# Altium PCB Layout.PcbDoc (part 2 of 2)
Units mm, origin at the board's own origin, x right, y up, seen from the top; angles counter-clockwise.
Board outline 308.8 x 101.28 mm, 2 copper layers (Top Layer, Bottom Layer); 179 components, 115 nets, 662 pads, 125 vias.
Unrouted connection lines stored in the file: 1.
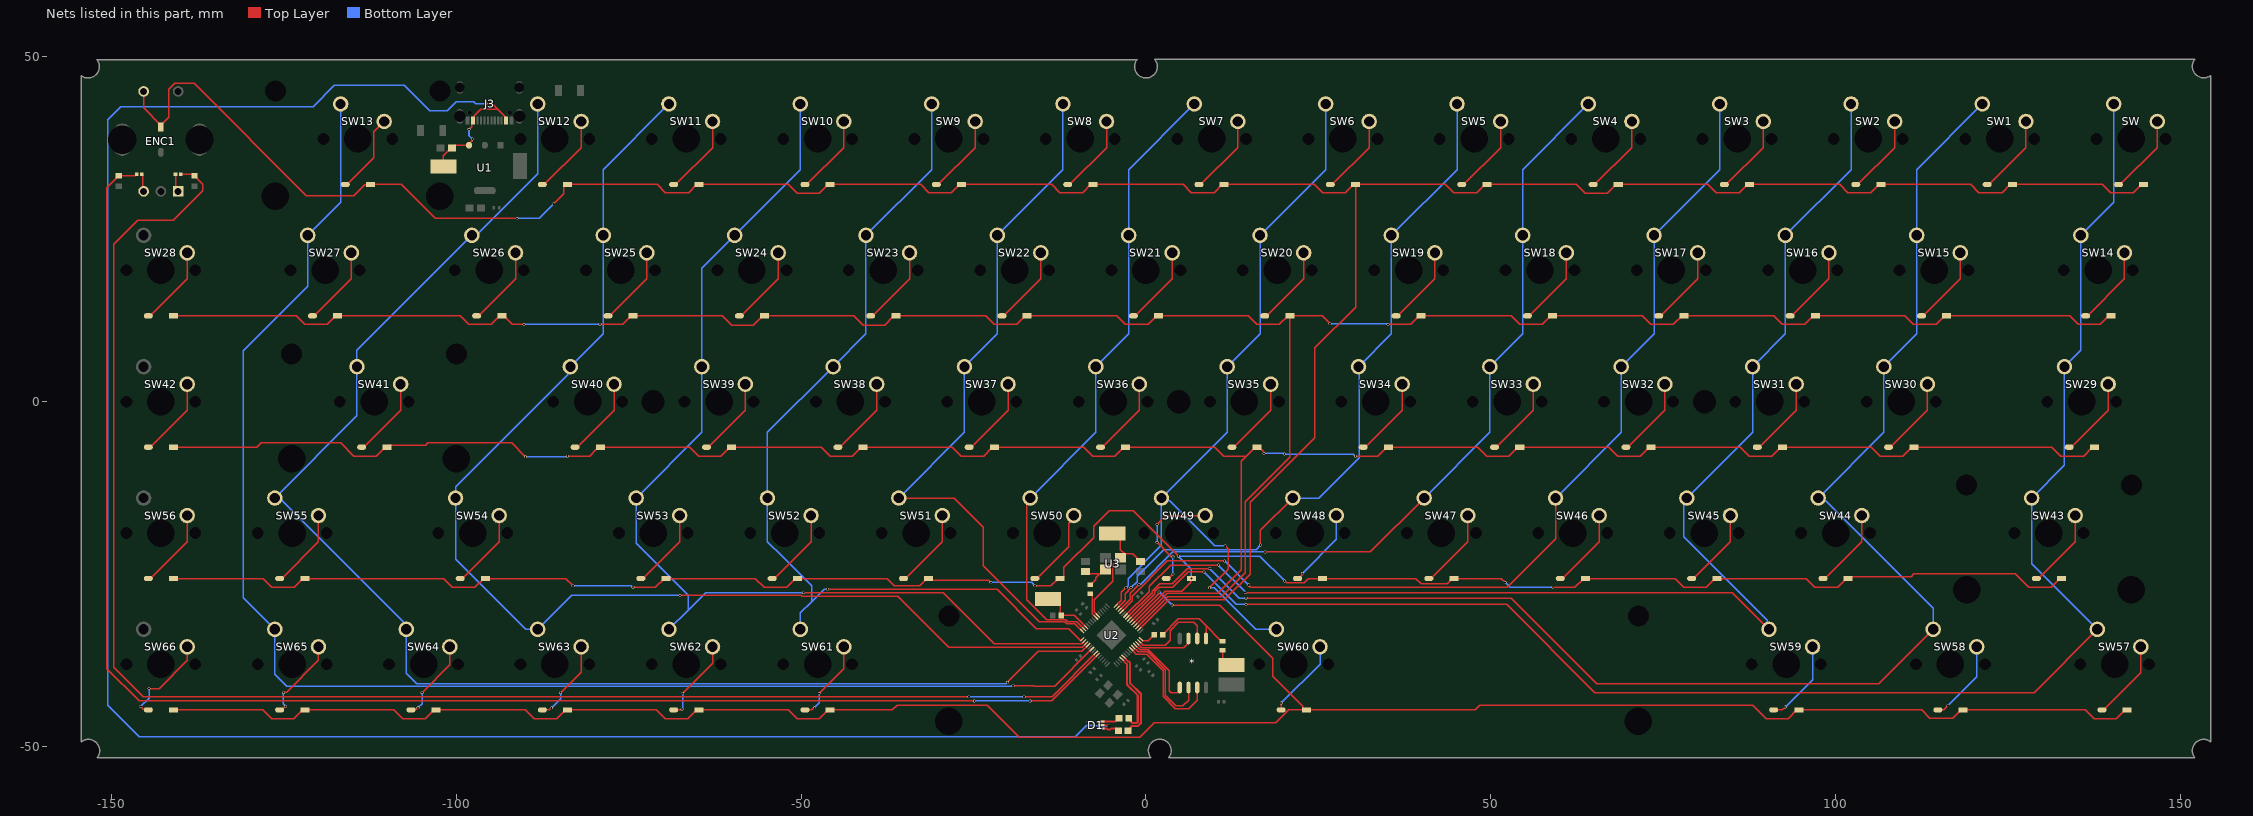
[diagram p2: the nets of this part, all layers, seen from the top]

## Via types
v1: diameter 0.4, hole 0.3, Top Layer to Bottom Layer, 120 vias
v2: diameter 1.27, hole 0.711, Top Layer to Bottom Layer, 5 vias

## Nets (pads, with @x,y where several pads share a name; then routed paths per layer and width w, separated by ;. In a path a pad name is that pad's centre, name@x,y a point inside that pad or via, vN(x,y) a via of type N, cw(c..) or ccw(c..) an arc to the next point about the centre after c; other vN are vias at no path point) (continued)
GPIO0: D2.1 D3.1 D4.1 D5.1 D6.1 D7.1 D8.1 D9.1 D10.1 D11.1 D12.1 D13.1 D14.1 D15.1 D16.1 ENC1.2 U2.2 | length 404.4
  Top Layer w0.2: ENC1.2@-145.38,45 -145.38,42.598 D2.1@-142.88,40.098 ; D2.1@-142.88,39.825 D2.1@-142.88,40.098 ; v1(-91.2,26.6) -103.1,26.6 -108,31.5 D16.1@-112.48,31.5 -112.497,31.483 -113.317,31.483 -114.9,29.9 -121.8,29.9 -138.055,46.155 -140.858,46.155 -141.728,45.284 -141.728,41.25 D2.1@-142.88,40.098 ; v1(-85.9,28.7) -84.459,30.141 -84.459,31.219 -84.178,31.5 D15.1@-83.905,31.5 -70.9,31.5 -69.7,30.3 -66.328,30.3 -65.128,31.5 D14.1@-64.855,31.5 -51.9,31.5 -50.6,30.2 -47.378,30.2 -46.078,31.5 D13.1@-45.805,31.5 -32.7,31.5 -31.5,30.3 -28.228,30.3 -27.028,31.5 D12.1@-26.755,31.5 -13.7,31.5 -12.5,30.3 -9.178,30.3 -7.978,31.5 D11.1@-7.705,31.5 5.4,31.5 6.6,30.3 9.872,30.3 11.072,31.5 D10.1@11.345,31.5 24.4,31.5 25.6,30.3 28.922,30.3 D9.1@29.841,31.219 ; U2.2@-0.994,-32.991 3.265,-28.732 11.368,-28.732 15.1,-25 15.1,-14.6 24.5,-5.2 24.5,7.8 30.395,13.695 D9.1@30.395,31.5 43.4,31.5 44.6,30.3 47.972,30.3 49.172,31.5 D8.1@49.445,31.5 62.4,31.5 63.7,30.2 66.922,30.2 68.222,31.5 D7.1@68.495,31.5 81.5,31.5 82.7,30.3 86.072,30.3 87.272,31.5 D6.1@87.545,31.5 100.6,31.5 101.8,30.3 105.122,30.3 106.322,31.5 D5.1@106.595,31.5 119.6,31.5 120.8,30.3 124.172,30.3 125.372,31.5 D4.1@125.645,31.5 138.7,31.5 139.9,30.3 143.222,30.3 144.422,31.5 D3.1@144.695,31.5
  Bottom Layer w0.2: v1(-91.2,26.6) -88,26.6 v1(-85.9,28.7)
GPIO1: D17.1 D18.1 D19.1 D20.1 D21.1 D22.1 D23.1 D24.1 D25.1 D26.1 D27.1 D28.1 D29.1 D30.1 D31.1 U2.3 | length 354.6
  Top Layer w0.2: D31.1@-141.055,12.45 -123.25,12.45 -122,11.2 -118.765,11.2 -117.515,12.45 D30.1@-117.242,12.45 -99.45,12.45 -98.2,11.2 -94.953,11.2 -93.703,12.45 D29.1@-93.43,12.45 -93.157,12.45 -91.907,11.2 v1(-90.2,11.2) ; v1(-79.19,11.242) -75.861,11.242 -74.653,12.45 D28.1@-74.38,12.45 -61.45,12.45 -60.1,11.1 -56.953,11.1 -55.603,12.45 D27.1@-55.33,12.45 -42.35,12.45 -41,11.1 -37.903,11.1 -36.553,12.45 D26.1@-36.28,12.45 -23.25,12.45 -22,11.2 -18.753,11.2 -17.503,12.45 D25.1@-17.23,12.45 -4.25,12.45 -3,11.2 0.297,11.2 1.547,12.45 D24.1@1.82,12.45 14.85,12.45 16.1,11.2 19.347,11.2 20.597,12.45 D23.1@20.87,12.45 ; U2.3@-1.276,-32.708 3.131,-28.3 10.932,-28.3 14.4,-24.832 14.4,-14.5 20.87,-8.03 D23.1@20.87,12.45 ; v1(26.7,11.3) 25.55,12.45 D23.1@20.87,12.45 ; v1(35.086,11.2) 38.397,11.2 39.647,12.45 D22.1@39.92,12.45 52.95,12.45 54.2,11.2 57.447,11.2 58.697,12.45 D21.1@58.97,12.45 71.95,12.45 73.2,11.2 76.497,11.2 77.747,12.45 D20.1@78.02,12.45 91.05,12.45 92.3,11.2 95.547,11.2 96.797,12.45 D19.1@97.07,12.45 110.05,12.45 111.3,11.2 114.597,11.2 115.847,12.45 D18.1@116.12,12.45 133.95,12.45 135.2,11.2 138.41,11.2 139.66,12.45 D17.1@139.933,12.45
  Bottom Layer w0.2: v1(-90.2,11.2) -90.179,11.221 -79.211,11.221 v1(-79.19,11.242) ; v1(26.7,11.3) 34.946,11.3 35.046,11.2 v1(35.086,11.2)
GPIO2: D32.1 D33.1 D34.1 D35.1 D36.1 D37.1 D38.1 D39.1 D40.1 D41.1 D42.1 D43.1 D44.1 D45.1 U2.4 | length 329.3
  Top Layer w0.2: D45.1@-141.055,-6.6 -128.969,-6.6 -128.35,-5.981 -116.819,-5.981 -114.9,-7.9 -111.672,-7.9 -110.372,-6.6 D44.1@-110.099,-6.6 -109.818,-6.319 -104.477,-6.319 -104.139,-5.981 -92.019,-5.981 v1(-90,-8) ; v1(-83.9,-7.9) -80.7,-7.9 -79.697,-6.897 -79.697,-6.881 -79.416,-6.6 D43.1@-79.143,-6.6 -66.2,-6.6 -64.9,-7.9 -61.666,-7.9 -60.366,-6.6 D42.1@-60.093,-6.6 -47.1,-6.6 -45.8,-7.9 -42.616,-7.9 -41.316,-6.6 D41.1@-41.043,-6.6 -28.1,-6.6 -26.8,-7.9 -23.566,-7.9 -22.266,-6.6 D40.1@-21.993,-6.6 -9,-6.6 -7.7,-7.9 -4.516,-7.9 -3.216,-6.6 D39.1@-2.943,-6.6 10,-6.6 11.3,-7.9 14.534,-7.9 ; U2.4@-1.559,-32.425 3.066,-27.8 10.4,-27.8 13.8,-24.4 13.8,-8.634 14.534,-7.9 ; v1(17.1,-7.5) 17.062,-7.462 17.062,-7.282 16.38,-6.6 D38.1@16.107,-6.6 15.834,-6.6 14.534,-7.9 ; v1(30.4,-7.9) 33.584,-7.9 34.884,-6.6 D37.1@35.157,-6.6 48.1,-6.6 49.4,-7.9 52.634,-7.9 53.934,-6.6 D36.1@54.207,-6.6 67.1,-6.6 68.4,-7.9 71.684,-7.9 72.984,-6.6 D35.1@73.257,-6.6 86.2,-6.6 87.5,-7.9 90.734,-7.9 92.034,-6.6 D34.1@92.307,-6.6 105.2,-6.6 106.5,-7.9 109.784,-7.9 111.084,-6.6 D33.1@111.357,-6.6 131.4,-6.6 132.7,-7.9 135.978,-7.9 137.278,-6.6 D32.1@137.551,-6.6
  Bottom Layer w0.2: v1(-90,-8) -84.054,-8 -83.954,-7.9 v1(-83.9,-7.9) ; v1(17.1,-7.5) 19.946,-7.5 20.046,-7.6 v1(20.1,-7.6) 30.046,-7.6 30.346,-7.9 v1(30.4,-7.9)
GPIO3: D46.1 D47.1 D48.1 D49.1 D50.1 D51.1 D52.1 D53.1 D54.1 D55.1 D56.1 D57.1 D58.1 D59.1 U2.5 | length 310.9
  Top Layer w0.2: D59.1@-141.055,-25.65 -128.05,-25.65 -126.8,-26.9 -123.528,-26.9 -122.278,-25.65 D58.1@-122.005,-25.65 -101.85,-25.65 -100.6,-26.9 -97.334,-26.9 -96.084,-25.65 D57.1@-95.811,-25.65 -84.15,-25.65 v1(-83.1,-26.7) ; v1(-74.4,-26.9) -71.14,-26.9 -69.89,-25.65 D56.1@-69.617,-25.65 -56.65,-25.65 -55.4,-26.9 -52.09,-26.9 -50.84,-25.65 D55.1@-50.567,-25.65 -37.55,-25.65 -36.5,-26.7 -32.84,-26.7 -31.79,-25.65 D54.1@-31.517,-25.65 -31.236,-25.931 -22.823,-25.931 -22.554,-26.2 v1(-22.5,-26.2) ; v1(-16.1,-26.7) -13.79,-26.7 -12.74,-25.65 D53.1@-12.467,-25.65 -12.194,-25.65 -11.913,-25.369 -11.913,-24.013 -7.6,-19.7 -7.6,-18.1 -5.3,-15.8 -1.866,-15.8 4.7,-22.366 v1(4.7,-22.4) ; U2.5@-1.842,-32.142 2.8,-27.5 5.2,-27.5 6.486,-26.214 6.486,-25.747 v1(6.583,-25.65) ; v1(20.1,-26) 20.154,-26 20.385,-26.231 22.984,-26.231 23.565,-25.65 D51.1@25.633,-25.65 39.15,-25.65 39.9,-26.4 43.66,-26.4 44.41,-25.65 D50.1@44.683,-25.65 51.55,-25.65 v1(52.1,-26.2) ; v1(59,-26.9) 62.21,-26.9 63.46,-25.65 D49.1@63.733,-25.65 76.75,-25.65 78,-26.9 81.26,-26.9 82.51,-25.65 D48.1@82.783,-25.65 95.75,-25.65 97,-26.9 100.31,-26.9 101.56,-25.65 D47.1@101.833,-25.65 102.114,-25.369 110.988,-25.369 111.376,-24.981 126.081,-24.981 128,-26.9 131.266,-26.9 132.516,-25.65 D46.1@132.789,-25.65
  Bottom Layer w0.2: v1(-83.1,-26.7) -74.654,-26.7 -74.454,-26.9 v1(-74.4,-26.9) ; v1(-22.5,-26.2) -16.6,-26.2 v1(-16.1,-26.7) ; v1(6.583,-25.65) 6.583,-24.283 v1(4.7,-22.4) 16.5,-22.4 v1(20.1,-26) ; v1(52.1,-26.2) 52.8,-26.9 v1(59,-26.9)
GPIO4: D60.1 D61.1 D62.1 D63.1 D64.1 D65.1 D66.1 D67.1 D68.1 D69.1 U2.6 | length 331.8
  Top Layer w0.2: D69.1@-141.053,-44.7 -128.1,-44.7 -126.8,-46 -123.576,-46 -122.276,-44.7 D68.1@-122.003,-44.7 -109.1,-44.7 -107.8,-46 -104.526,-46 -103.226,-44.7 D67.1@-102.953,-44.7 -90,-44.7 -88.7,-46 -85.476,-46 -84.176,-44.7 D66.1@-83.903,-44.7 -71,-44.7 -69.7,-46 -66.426,-46 -65.126,-44.7 D65.1@-64.853,-44.7 -51.9,-44.7 -50.6,-46 -47.376,-46 -46.076,-44.7 D64.1@-45.803,-44.7 -36.77,-44.7 -36.101,-44.031 -23.053,-44.031 -18.384,-48.7 -0.928,-48.7 1.172,-46.6 18.798,-46.6 20.698,-44.7 23.004,-44.7 22.723,-44.419 22.723,-44.17 20.708,-42.155 18.4,-39.847 18.4,-37.2 10.7,-29.5 v1(3.8,-29.5) ; U2.6@-2.125,-31.859 1.862,-27.873 1.862,-27.638 v1(1.9,-27.6) ; D63.1@23.253,-44.7 47.758,-44.7 48.427,-44.031 88.018,-44.031 89.944,-45.956 93.161,-45.956 94.417,-44.7 D62.1@94.69,-44.7 112.5,-44.7 113.7,-45.9 117.029,-45.9 118.229,-44.7 D61.1@118.502,-44.7 136.2,-44.7 137.5,-46 140.741,-46 142.041,-44.7 D60.1@142.314,-44.7
  Bottom Layer w0.2: v1(1.9,-27.6) v1(3.8,-29.5)
GPIO5: SW14.2 SW29.2 SW43.2 SW57.2 SW.2 U2.7 | length 239.6
  Top Layer w0.2: U2.7@-2.408,-31.576 1.3,-27.869 1.3,-27.493 1.893,-26.9 3.9,-26.9 6.1,-24.7 v1(8.4,-24.7) ; v1(14.5,-29.4) 52.3,-29.4 65.1,-42.2 128.799,-42.2 SW57.2@137.979,-33.02
  Bottom Layer w0.2: v1(8.4,-24.7) 13.1,-29.4 v1(14.5,-29.4) ; SW57.2@137.979,-33.02 128.454,-23.495 SW43.2@128.454,-13.97 133.216,-9.208 SW29.2@133.216,5.08 135.598,7.462 SW14.2@135.598,24.13 140.36,28.892 SW.2@140.36,43.18
GPIO6: SW1.2 SW15.2 SW30.2 SW44.2 SW58.2 U2.8 | length 223.5
  Top Layer w0.2: U2.8@-2.691,-31.294 0.895,-27.708 0.895,-27.474 1.969,-26.4 3.8,-26.4 6,-24.2 9.246,-24.2 v1(9.25,-24.204) ; v1(14.5,-28.5) 53,-28.5 65.4,-40.9 106.287,-40.9 SW58.2@114.167,-33.02
  Bottom Layer w0.2: v1(9.25,-24.204) 13.546,-28.5 v1(14.5,-28.5) ; SW58.2@114.167,-33.02 114.167,-29.965 98.564,-14.362 97.89,-14.362 SW44.2@97.498,-13.97 107.022,-4.446 SW30.2@107.022,5.08 111.785,9.843 SW15.2@111.785,24.13 111.785,33.655 SW1.2@121.31,43.18
GPIO7: SW2.2 SW16.2 SW31.2 SW45.2 SW59.2 U2.9 | length 192.1
  Top Layer w0.2: U2.9@-2.974,-31.011 0.5,-27.537 0.5,-26.8 3.6,-23.7 v1(10.5,-23.7) ; v1(14.4,-27.7) 85.035,-27.7 SW59.2@90.355,-33.02
  Bottom Layer w0.2: v1(10.5,-23.7) 14.362,-27.562 14.362,-27.662 v1(14.4,-27.7) ; SW59.2@90.355,-33.02 90.112,-32.778 90.112,-31.712 78.002,-19.602 78.002,-14.416 87.972,-4.446 SW31.2@87.972,5.08 92.735,9.843 SW16.2@92.735,24.13 102.26,33.655 SW2.2@102.26,43.18
GPIO8: SW3.2 SW17.2 SW32.2 SW46.2 U2.11 | length 143.8
  Top Layer w0.2: U2.11@-3.539,-30.445 -2,-28.906 -2,-28.2 3.1,-23.1 v1(11.4,-23.1) ; v1(14.9,-26.6) 15.2,-26.9 52.4,-26.9 59.398,-19.902 SW46.2@59.398,-13.97
  Bottom Layer w0.2: v1(11.4,-23.1) v1(14.9,-26.6) ; SW46.2@59.398,-13.97 68.922,-4.446 SW32.2@68.922,5.08 73.685,9.843 SW17.2@73.685,24.13 83.21,33.655 SW3.2@83.21,43.18
GPIO9: SW4.2 SW18.2 SW33.2 SW47.2 U2.12 | length 118.4
  Top Layer w0.2: U2.12@-3.822,-30.162 -2.319,-28.659 -2.319,-27.812 v1(-1.004,-26.496) ; v1(17.3,-21.8) 32.518,-21.8 SW47.2@40.348,-13.97
  Bottom Layer w0.2: v1(-1.004,-26.496) -0.965,-26.458 -0.758,-26.458 3.9,-21.8 v1(17.3,-21.8) ; SW47.2@40.348,-13.97 49.872,-4.446 SW33.2@49.872,5.08 54.635,9.843 SW18.2@54.635,24.13 54.635,33.655 SW4.2@64.16,43.18
GPIO10: SW5.2 SW19.2 SW34.2 SW48.2 U2.13 | length 103.5
  Top Layer w0.2: U2.13@-4.105,-29.879 -3.037,-28.812 -3.037,-27.823 v1(-2.157,-26.943) ; v1(16.6,-20.8) 16.6,-18.668 SW48.2@21.298,-13.97
  Bottom Layer w0.2: v1(-2.157,-26.943) -1.302,-26.088 -1.302,-25.302 2.56,-21.44 15.96,-21.44 v1(16.6,-20.8) ; SW48.2@21.298,-13.97 25.037,-13.97 30.9,-8.107 30.9,5.002 SW34.2@30.822,5.08 35.585,9.843 SW19.2@35.585,24.13 45.11,33.655 SW5.2@45.11,43.18
GPIO11: SW6.2 SW20.2 SW35.2 SW49.2 SW60.2 U2.14 | length 117.1
  Top Layer w0.2: U2.14@-4.388,-29.597 -3.555,-28.764 -3.555,-27.634 v1(-2.911,-26.989) ; v1(9.2,-27) 11.9,-24.3 11.9,-21.3 v1(11.5,-20.9)
  Bottom Layer w0.2: v1(-2.911,-26.989) -2.6,-26.679 -2.6,-25.7 2.248,-20.852 SW49.2@2.248,-13.97 ; v1(9.2,-27) 9.907,-27 15.927,-33.02 SW60.2@18.918,-33.02 ; v1(11.5,-20.9) 9.982,-20.9 3.444,-14.362 2.64,-14.362 SW49.2@2.248,-13.97 ; SW6.2@26.06,43.18 26.06,33.655 SW20.2@16.535,24.13 16.535,9.843 SW35.2@11.772,5.08 11.772,-4.446 SW49.2@2.248,-13.97
GPIO16: SW7.2 SW21.2 SW36.2 SW50.2 U2.27 | length 92.1
  Top Layer w0.2: SW50.2@-16.802,-13.97 -16.802,-14.525 -17.3,-15.023 -17.3,-28.698 -14.369,-31.629 -11.64,-31.629 -11.369,-31.9 -10.053,-31.9 U2.27@-8.963,-32.991
  Bottom Layer w0.2: SW50.2@-16.802,-13.97 -7.278,-4.446 SW36.2@-7.278,5.08 -2.515,9.843 SW21.2@-2.515,24.13 -2.515,33.655 SW7.2@7.01,43.18
GPIO17: SW8.2 SW22.2 SW37.2 SW51.2 U2.28 | length 104.9
  Top Layer w0.2: SW51.2@-35.852,-13.97 -27.83,-13.97 -23.6,-18.2 -23.6,-23.776 -15.447,-31.929 -11.764,-31.929 -11.493,-32.2 -10.319,-32.2 U2.28@-9.246,-33.274
  Bottom Layer w0.2: SW51.2@-35.852,-13.97 -26.328,-4.446 SW37.2@-26.328,5.08 -21.565,9.843 SW22.2@-21.565,24.13 -12.04,33.655 SW8.2@-12.04,43.18
GPIO18: SW9.2 SW23.2 SW38.2 SW52.2 SW61.2 U2.29 | length 132.5
  Top Layer w0.2: v1(-46.2,-27.2) -21.6,-27.2 -15.9,-32.9 -11.217,-32.9 -9.454,-34.663 U2.29@-9.246,-34.454
  Bottom Layer w0.2: SW61.2@-50.138,-33.02 SW61.2@-50.138,-32.902 ; SW61.2@-50.138,-32.882 -50.138,-30.638 ; -50.124,-30.624 -48.5,-29 ; v1(-46.2,-27.2) -46.7,-27.2 -48.5,-29 ; SW9.2@-31.09,43.18 -31.09,33.655 SW23.2@-40.615,24.13 -40.615,9.843 SW38.2@-45.378,5.08 -54.902,-4.444 SW52.2@-54.902,-13.97 -54.902,-20.298 -52.775,-22.425 -48.5,-26.7 -48.5,-29
GPIO19: SW10.2 SW24.2 SW39.2 SW53.2 SW62.2 U2.30 | length 152
  Top Layer w0.2: v1(-49.7,-27.7) -29.407,-27.7 -22.007,-35.1 -9.325,-35.1 U2.30@-8.963,-34.737
  Bottom Layer w0.2: SW62.2@-69.188,-33.02 -66.4,-30.232 ; SW10.2@-50.14,43.18 -50.14,33.655 SW24.2@-59.665,24.13 -64.428,19.367 SW39.2@-64.428,5.08 -64.428,-4.446 SW53.2@-73.952,-13.97 -73.952,-20.548 -66.4,-28.1 -66.4,-30.232 ; v1(-49.7,-27.7) -63.868,-27.7 -66.4,-30.232
GPIO20: SW11.2 SW25.2 SW40.2 SW54.2 SW63.2 U2.31 | length 179.9
  Top Layer w0.2: v1(-67.604,-28.104) -67.6,-28.1 -50.007,-28.1 -49.907,-28.2 -36,-28.2 -28.6,-35.6 -9.26,-35.6 U2.31@-8.68,-35.02
  Bottom Layer w0.2: SW11.2@-69.19,43.18 -78.715,33.655 SW25.2@-78.715,24.13 -78.69,24.106 -78.69,9.868 -83.87,4.688 -83.87,3.93 -100.146,-12.346 SW54.2@-100.146,-13.97 -100.146,-22.854 -89.98,-33.02 SW63.2@-88.238,-33.02 -83.318,-28.1 -67.607,-28.1 v1(-67.604,-28.104)
GPIO21: SW12.2 SW26.2 SW41.2 SW55.2 SW64.2 U2.32 | length 208.8
  Top Layer w0.2: v1(-20.1,-40.7) -15.6,-36.2 -9.294,-36.2 U2.32@-8.397,-35.303
  Bottom Layer w0.2: SW12.2@-88.24,43.18 -88.24,33.053 -96.771,24.522 -97.372,24.522 SW26.2@-97.765,24.13 -114.434,7.46 SW41.2@-114.434,5.08 -114.434,-2.065 SW55.2@-126.34,-13.97 -125.947,-14.362 -125.273,-14.362 -107.68,-31.955 -107.68,-32.628 SW64.2@-107.288,-33.02 -107.288,-39.412 -105.8,-40.9 -20.317,-40.9 -20.117,-40.7 v1(-20.1,-40.7)
GPIO22: SW13.2 SW27.2 SW65.2 U2.34 | length 212
  Top Layer w0.2: v1(-19.3,-41.2) -16.304,-41.2 -16.204,-41.3 -13.263,-41.3 U2.34@-7.831,-35.869
  Bottom Layer w0.2: SW13.2@-116.815,43.18 -116.815,28.892 SW27.2@-121.577,24.13 -121.577,16.723 -130.9,7.4 -130.9,-28.458 SW65.2@-126.338,-33.02 -126.338,-39.562 -124.6,-41.3 -19.454,-41.3 -19.354,-41.2 v1(-19.3,-41.2)
GPIO24: C20.1 R9.2 U2.36 | length 229.1
  Top Layer w0.2: R9.2@-140,33 -138.25,33 C20.1@-138,32.75 -137.95,32.75 -137.65,32.45 -137.65,32.4 -136.8,31.55 -136.8,30.6 -141.1,26.3 -146.2,26.3 -149.7,22.8 -149.7,-38.5 -145.4,-42.8 v1(-25.7,-42.8) ; v1(-17.7,-42.8) -13.631,-42.8 U2.36@-7.266,-36.434
  Bottom Layer w0.2: v1(-25.7,-42.8) v1(-17.7,-42.8)
GPIO25: C21.2 R10.2 U2.37 | length 223.3
  Top Layer w0.2: R10.2@-146.379,33 -146.4,33 -146.65,32.75 C21.2@-149,32.75 -149.05,32.75 -149.35,32.45 -149.35,32.4 -150.7,31.05 -150.7,-38.7 -146,-43.4 v1(-24.9,-43.4) ; v1(-16.8,-43.4) -13.666,-43.4 U2.37@-6.983,-36.717
  Bottom Layer w0.2: v1(-24.9,-43.4) v1(-16.8,-43.4)
Net*_1: *.1 R7.1 R8.2 | length 12.9
  Top Layer w0.2: R7.1@2.401,-33.8 2.401,-33.774 4.675,-31.5 7.705,-31.5 8.705,-32.5 ; *.1@8.705,-34.35 8.705,-32.5 ; R8.2@11.1,-34.723 10.871,-34.494 10.699,-34.494 8.705,-32.5
NetC17_1: C17.1 J4.1 U2.20 U3.1 | length 16.9
  Top Layer w0.2: U2.20@-6.983,-31.011 -7.5,-30.494 -7.5,-28.7 -4.812,-26.012 -4.812,-23.663 -3.8,-22.65 U3.1@-3.7,-22.65 ; J4.1@-4.9,-19.1 -4.615,-19.1 -3.7,-20.015 -3.7,-21.45 -3.1,-22.05 -1.924,-22.05 -1.354,-22.62 -1.354,-22.771 -0.951,-23.174 C17.1@-0.8,-23.174
NetC18_1: C18.1 R3.1 U3.3 | length 4.6
  Top Layer w0.2: C18.1@-8.8,-24.626 -8.476,-24.95 -6.6,-24.95 -6.7,-24.95 -7.3,-25.55 -7.3,-25.8 -8.023,-26.523 R3.1@-8.1,-26.523
NetD1_4: D1.4 R4.1 | length 2.7
  Top Layer w0.254: D1.4@-6.495,-47.4 -5.745,-47.4 -5.618,-47.527 -5.182,-47.527 -5.055,-47.4 -4.301,-47.4 R4.1@-4.001,-47.7
NetD1_6: D1.6 R2.1 | length 2.8
  Top Layer w0.254: D1.6@-6.495,-46.4 -4.425,-46.4 -3.925,-45.9 R2.1@-3.901,-45.9
NetD3_2: D3.2 SW.1 | length 11.6
  Top Layer w0.2: D3.2@141.045,31.5 141.318,31.5 146.68,36.862 SW.1@146.68,40.64
NetD4_2: D4.2 SW1.1 | length 11.6
  Top Layer w0.2: D4.2@121.995,31.5 122.268,31.5 127.63,36.862 SW1.1@127.63,40.64
NetD5_2: D5.2 SW2.1 | length 11.6
  Top Layer w0.2: D5.2@102.945,31.5 103.218,31.5 108.58,36.862 SW2.1@108.58,40.64
NetD6_2: D6.2 SW3.1 | length 11.6
  Top Layer w0.2: D6.2@83.895,31.5 84.168,31.5 89.53,36.862 SW3.1@89.53,40.64
NetD7_2: D7.2 SW4.1 | length 11.6
  Top Layer w0.2: D7.2@64.845,31.5 65.118,31.5 70.48,36.862 SW4.1@70.48,40.64
NetD8_2: D8.2 SW5.1 | length 11.6
  Top Layer w0.2: D8.2@45.795,31.5 46.068,31.5 51.43,36.862 SW5.1@51.43,40.64
NetD9_2: D9.2 SW6.1 | length 11.6
  Top Layer w0.2: D9.2@26.745,31.5 27.018,31.5 32.38,36.862 SW6.1@32.38,40.64
NetD10_2: D10.2 SW7.1 | length 11.6
  Top Layer w0.2: D10.2@7.695,31.5 7.968,31.5 13.33,36.862 SW7.1@13.33,40.64
NetD11_2: D11.2 SW8.1 | length 11.6
  Top Layer w0.2: D11.2@-11.355,31.5 -11.082,31.5 -5.72,36.862 SW8.1@-5.72,40.64
NetD12_2: D12.2 SW9.1 | length 11.6
  Top Layer w0.2: D12.2@-30.405,31.5 -30.132,31.5 -24.77,36.862 SW9.1@-24.77,40.64
NetD13_2: D13.2 SW10.1 | length 11.6
  Top Layer w0.2: D13.2@-49.455,31.5 -49.182,31.5 -43.82,36.862 SW10.1@-43.82,40.64
NetD14_2: D14.2 SW11.1 | length 11.6
  Top Layer w0.2: D14.2@-68.505,31.5 -68.232,31.5 -62.87,36.862 SW11.1@-62.87,40.64
NetD15_2: D15.2 SW12.1 | length 11.6
  Top Layer w0.2: D15.2@-87.555,31.5 -87.282,31.5 -81.92,36.862 SW12.1@-81.92,40.64
NetD16_2: D16.2 SW13.1 | length 11.6
  Top Layer w0.2: D16.2@-116.13,31.5 -115.857,31.5 -112.011,35.346 -112.011,39.124 SW13.1@-110.495,40.64
NetD17_2: D17.2 SW14.1 | length 11.6
  Top Layer w0.2: D17.2@136.283,12.45 136.556,12.45 141.918,17.812 SW14.1@141.918,21.59
NetD18_2: D18.2 SW15.1 | length 11.6
  Top Layer w0.2: D18.2@112.47,12.45 112.743,12.45 118.105,17.812 SW15.1@118.105,21.59
NetD19_2: D19.2 SW16.1 | length 11.6
  Top Layer w0.2: D19.2@93.42,12.45 93.693,12.45 99.055,17.812 SW16.1@99.055,21.59
NetD20_2: D20.2 SW17.1 | length 11.6
  Top Layer w0.2: D20.2@74.37,12.45 74.643,12.45 80.005,17.812 SW17.1@80.005,21.59
NetD21_2: D21.2 SW18.1 | length 11.6
  Top Layer w0.2: D21.2@55.32,12.45 55.593,12.45 60.955,17.812 SW18.1@60.955,21.59
NetD22_2: D22.2 SW19.1 | length 11.6
  Top Layer w0.2: D22.2@36.27,12.45 36.543,12.45 41.905,17.812 SW19.1@41.905,21.59
NetD23_2: D23.2 SW20.1 | length 11.6
  Top Layer w0.2: D23.2@17.22,12.45 17.493,12.45 22.855,17.812 SW20.1@22.855,21.59
NetD24_2: D24.2 SW21.1 | length 11.6
  Top Layer w0.2: D24.2@-1.83,12.45 -1.557,12.45 3.805,17.812 SW21.1@3.805,21.59
NetD25_2: D25.2 SW22.1 | length 11.6
  Top Layer w0.2: D25.2@-20.88,12.45 -20.607,12.45 -15.245,17.812 SW22.1@-15.245,21.59
NetD26_2: D26.2 SW23.1 | length 11.6
  Top Layer w0.2: D26.2@-39.93,12.45 -39.657,12.45 -34.295,17.812 SW23.1@-34.295,21.59
NetD27_2: D27.2 SW24.1 | length 11.6
  Top Layer w0.2: D27.2@-58.98,12.45 -58.707,12.45 -53.345,17.812 SW24.1@-53.345,21.59
NetD28_2: D28.2 SW25.1 | length 11.6
  Top Layer w0.2: D28.2@-78.03,12.45 -77.757,12.45 -72.395,17.812 SW25.1@-72.395,21.59
NetD29_2: D29.2 SW26.1 | length 11.6
  Top Layer w0.2: D29.2@-97.08,12.45 -96.807,12.45 -91.445,17.812 SW26.1@-91.445,21.59
NetD30_2: D30.2 SW27.1 | length 11.6
  Top Layer w0.2: D30.2@-120.892,12.45 -120.619,12.45 -115.257,17.812 SW27.1@-115.257,21.59
NetD31_2: D31.2 SW28.1 | length 11.6
  Top Layer w0.2: D31.2@-144.705,12.45 -144.432,12.45 -139.07,17.812 SW28.1@-139.07,21.59
NetD32_2: D32.2 SW29.1 | length 11.6
  Top Layer w0.2: D32.2@133.901,-6.6 134.174,-6.6 139.536,-1.238 SW29.1@139.536,2.54
NetD33_2: D33.2 SW30.1 | length 11.6
  Top Layer w0.2: D33.2@107.707,-6.6 107.98,-6.6 113.342,-1.238 SW30.1@113.342,2.54
NetD34_2: D34.2 SW31.1 | length 11.6
  Top Layer w0.2: D34.2@88.657,-6.6 88.93,-6.6 94.292,-1.238 SW31.1@94.292,2.54
NetD35_2: D35.2 SW32.1 | length 11.6
  Top Layer w0.2: D35.2@69.607,-6.6 69.88,-6.6 75.242,-1.238 SW32.1@75.242,2.54
NetD36_2: D36.2 SW33.1 | length 11.6
  Top Layer w0.2: D36.2@50.557,-6.6 50.83,-6.6 56.192,-1.238 SW33.1@56.192,2.54
NetD37_2: D37.2 SW34.1 | length 11.6
  Top Layer w0.2: D37.2@31.507,-6.6 31.78,-6.6 37.142,-1.238 SW34.1@37.142,2.54
NetD38_2: D38.2 SW35.1 | length 11.6
  Top Layer w0.2: D38.2@12.457,-6.6 12.73,-6.6 18.092,-1.238 SW35.1@18.092,2.54
NetD39_2: D39.2 SW36.1 | length 11.6
  Top Layer w0.2: D39.2@-6.593,-6.6 -6.32,-6.6 -0.958,-1.238 SW36.1@-0.958,2.54
NetD40_2: D40.2 SW37.1 | length 11.6
  Top Layer w0.2: D40.2@-25.643,-6.6 -25.37,-6.6 -20.008,-1.238 SW37.1@-20.008,2.54
NetD41_2: D41.2 SW38.1 | length 11.6
  Top Layer w0.2: D41.2@-44.693,-6.6 -44.42,-6.6 -39.058,-1.238 SW38.1@-39.058,2.54
NetD42_2: D42.2 SW39.1 | length 11.6
  Top Layer w0.2: D42.2@-63.743,-6.6 -63.47,-6.6 -58.108,-1.238 SW39.1@-58.108,2.54
NetD43_2: D43.2 SW40.1 | length 11.6
  Top Layer w0.2: D43.2@-82.793,-6.6 -82.52,-6.6 -77.158,-1.238 SW40.1@-77.158,2.54
NetD44_2: D44.2 SW41.1 | length 11.6
  Top Layer w0.2: D44.2@-113.749,-6.6 -113.476,-6.6 -108.114,-1.238 SW41.1@-108.114,2.54
NetD45_2: D45.2 SW42.1 | length 11.6
  Top Layer w0.2: D45.2@-144.705,-6.6 -144.432,-6.6 -139.07,-1.238 SW42.1@-139.07,2.54
NetD46_2: D46.2 SW43.1 | length 11.6
  Top Layer w0.2: D46.2@129.139,-25.65 129.412,-25.65 134.774,-20.288 SW43.1@134.774,-16.51
NetD47_2: D47.2 SW44.1 | length 11.6
  Top Layer w0.2: D47.2@98.183,-25.65 98.456,-25.65 103.818,-20.288 SW44.1@103.818,-16.51
NetD48_2: D48.2 SW45.1 | length 11.6
  Top Layer w0.2: D48.2@79.133,-25.65 79.406,-25.65 84.768,-20.288 SW45.1@84.768,-16.51
NetD49_2: D49.2 SW46.1 | length 11.6
  Top Layer w0.2: D49.2@60.083,-25.65 60.356,-25.65 65.718,-20.288 SW46.1@65.718,-16.51
NetD50_2: D50.2 SW47.1 | length 11.6
  Top Layer w0.2: D50.2@41.033,-25.65 41.306,-25.65 46.668,-20.288 SW47.1@46.668,-16.51
NetD51_2: D51.2 SW48.1 | length 11.5
  Top Layer w0.2: D51.2@21.983,-25.65 22.104,-25.65 22.662,-25.093 22.662,-24.938 v1(22.7,-24.9)
  Bottom Layer w0.2: v1(22.7,-24.9) 27.618,-19.982 SW48.1@27.618,-16.51
NetD52_2: D52.2 SW49.1 | length 17
  Top Layer w0.2: v1(1.6,-20.4) 3.665,-22.465 3.865,-22.465 v1(3.904,-22.504) ; v1(1.6,-17.8) 2.89,-16.51 SW49.1@8.568,-16.51 ; D52.2@2.933,-25.65 3.228,-25.65 3.878,-25 v1(3.9,-25)
  Bottom Layer w0.2: v1(1.6,-20.4) v1(1.6,-17.8) ; v1(3.9,-25) 3.902,-24.998 3.902,-22.505 v1(3.904,-22.504)
NetD53_2: D53.2 SW50.1 | length 11.6
  Top Layer w0.2: D53.2@-16.117,-25.65 -15.844,-25.65 -11.2,-21.006 -11.2,-17.642 -10.482,-16.924 SW50.1@-10.482,-16.51
NetD54_2: D54.2 SW51.1 | length 11.6
  Top Layer w0.2: D54.2@-35.167,-25.65 -34.894,-25.65 -29.532,-20.288 SW51.1@-29.532,-16.51
NetD55_2: D55.2 SW52.1 | length 11.6
  Top Layer w0.2: D55.2@-54.217,-25.65 -53.944,-25.65 -48.582,-20.288 SW52.1@-48.582,-16.51
NetD56_2: D56.2 SW53.1 | length 11.6
  Top Layer w0.2: D56.2@-73.267,-25.65 -72.994,-25.65 -67.632,-20.288 SW53.1@-67.632,-16.51
NetD57_2: D57.2 SW54.1 | length 11.6
  Top Layer w0.2: D57.2@-99.461,-25.65 -99.188,-25.65 -93.826,-20.288 SW54.1@-93.826,-16.51
NetD58_2: D58.2 SW55.1 | length 11.6
  Top Layer w0.2: D58.2@-125.655,-25.65 -125.382,-25.65 -120.02,-20.288 SW55.1@-120.02,-16.51
NetD59_2: D59.2 SW56.1 | length 11.6
  Top Layer w0.2: D59.2@-144.705,-25.65 -144.432,-25.65 -139.07,-20.288 SW56.1@-139.07,-16.51
NetD60_2: D60.2 SW57.1 | length 11.6
  Top Layer w0.2: D60.2@138.664,-44.7 138.937,-44.7 144.299,-39.338 SW57.1@144.299,-35.56
NetD61_2: D61.2 SW58.1 | length 12
  Top Layer w0.2: D61.2@114.852,-44.7 115.7,-44.7 v1(116.3,-44.1)
  Bottom Layer w0.2: v1(116.3,-44.1) 120.487,-39.913 SW58.1@120.487,-35.56
NetD62_2: D62.2 SW59.1 | length 12.2
  Top Layer w0.2: D62.2@91.04,-44.7 92.3,-44.7 v1(92.7,-44.3)
  Bottom Layer w0.2: v1(92.7,-44.3) 96.675,-40.325 SW59.1@96.675,-35.56
NetD63_2: D63.2 SW60.1 | length 11.5
  Top Layer w0.2: v1(19.6,-43.7) v1(19.6,-43.7) 19.601,-44.698 D63.2@19.603,-44.7
  Bottom Layer w0.2: v1(19.6,-43.7) 25.238,-38.062 SW60.1@25.238,-35.56
NetD64_2: D64.2 SW61.1 | length 12.1
  Top Layer w0.2: D64.2@-49.453,-44.7 -48.454,-44.7 -48.154,-44.4 v1(-48.1,-44.4) ; v1(-47.4,-42.3) -43.818,-38.718 SW61.1@-43.818,-35.56
  Bottom Layer w0.2: v1(-48.1,-44.4) -47.4,-43.7 v1(-47.4,-42.3)
NetD65_2: D65.2 SW62.1 | length 12.1
  Top Layer w0.2: D65.2@-68.503,-44.7 -67.454,-44.7 -67.354,-44.6 v1(-67.3,-44.6) ; v1(-67.2,-42.3) -62.868,-37.968 SW62.1@-62.868,-35.56
  Bottom Layer w0.2: v1(-67.3,-44.6) -67.3,-44.546 -67.2,-44.446 v1(-67.2,-42.3)
NetD66_2: D66.2 SW63.1 | length 12.1
  Top Layer w0.2: D66.2@-87.553,-44.7 -86.554,-44.7 -86.254,-44.4 v1(-86.2,-44.4) ; v1(-84.9,-42.2) -81.918,-39.218 SW63.1@-81.918,-35.56
  Bottom Layer w0.2: v1(-86.2,-44.4) -84.9,-43.1 v1(-84.9,-42.2)
NetD67_2: D67.2 SW64.1 | length 11.9
  Top Layer w0.2: D67.2@-106.603,-44.7 -106.495,-44.592 -105.847,-44.592 -105.654,-44.4 v1(-105.6,-44.4) ; v1(-105,-42.2) -100.968,-38.168 SW64.1@-100.968,-35.56
  Bottom Layer w0.2: v1(-105.6,-44.4) -105,-43.8 v1(-105,-42.2)
NetD68_2: D68.2 SW65.1 | length 12.2
  Top Layer w0.2: D68.2@-125.653,-44.7 -125.34,-44.7 -124.84,-44.2 v1(-124.8,-44.2) ; v1(-125.1,-42.2) -125.062,-42.162 -124.646,-42.162 -120.018,-37.534 SW65.1@-120.018,-35.56
  Bottom Layer w0.2: v1(-125.1,-42.2) -125.1,-43.846 -124.8,-44.146 v1(-124.8,-44.2)
NetD69_2: D69.2 SW66.1 | length 13.6
  Top Layer w0.2: v1(-145.8,-44.2) -145.408,-44.592 -144.811,-44.592 D69.2@-144.703,-44.7 ; v1(-144.6,-41.6) -143.134,-41.6 -139.068,-37.534 SW66.1@-139.068,-35.56
  Bottom Layer w0.2: v1(-145.8,-44.2) -144.6,-43 v1(-144.6,-41.6)
NetENC1_A: ENC1.A R9.1 | length 2.7
  Top Layer w0.2: R9.1@-140.757,33 -140.757,30.878 ENC1.A@-140.38,30.5
NetENC1_B: ENC1.B R10.1 | length 2.6
  Top Layer w0.2: R10.1@-145.621,33 -145.5,32.879 -145.5,30.621 ENC1.B@-145.38,30.5
NetJ5_1: J5.1 R1.1 U2.26 | length 8
  Top Layer w0.2: J5.1@-14.2,-28.6 -13.315,-28.6 -12.4,-29.515 -12.4,-30.899 R1.1@-12.299,-31 -10.388,-31 U2.26@-8.68,-32.708
NetJ6_1: J6.1 R8.1 | length 2.9
  Top Layer w0.2: R8.1@11.1,-36.077 11.1,-37.285 12.015,-38.2 J6.1@12.4,-38.2
NetR3_2: R3.2 U2.21 | length 3.8
  Top Layer w0.2: R3.2@-8.1,-27.877 -8.029,-27.877 -7.8,-28.106 -7.8,-30.759 -7.492,-31.067 U2.21@-7.266,-31.294
QSPI_SCLK: *.6 U2.52 | length 15.9
  Top Layer w0.2: U2.52@-1.842,-35.586 -1.128,-36.3 0.231,-36.3 2.797,-38.866 2.797,-42.597 4.3,-44.1 5.365,-44.1 6.165,-43.3 *.6@6.165,-41.45
QSPI_SD0: *.5 U2.53 | length 11.5
  Top Layer w0.2: U2.53@-1.559,-35.303 -0.862,-36 0.356,-36 3.4,-39.044 3.4,-41.9 3.695,-42.195 4.592,-42.195 4.895,-41.892 *.5@4.895,-41.45
QSPI_SD1: *.2 U2.55 | length 12.9
  Top Layer w0.2: U2.55@-0.994,-34.737 -0.419,-35.312 2.788,-35.312 3.496,-34.604 3.496,-33.192 4.688,-32 6.935,-32 7.435,-32.5 *.2@7.435,-34.35
QSPI_SD2: *.3 U2.54 | length 8.7
  Top Layer w0.2: U2.54@-1.276,-35.02 -0.597,-35.7 5.5,-35.7 6.008,-35.192 6.008,-35.165 6.165,-35.008 *.3@6.165,-34.35
QSPI_SD3: *.7 U2.51 | length 17.7
  Top Layer w0.2: U2.51@-2.125,-35.869 -1.394,-36.6 0.107,-36.6 2.497,-38.99 2.497,-42.721 4.276,-44.5 6.235,-44.5 7.435,-43.3 *.7@7.435,-41.45
QSPI_SS: R7.2 U2.56 | length 2.4
  Top Layer w0.2: U2.56@-0.711,-34.454 -0.465,-34.7 0.325,-34.7 1.199,-33.826 R7.2@1.199,-33.8
USB_D_N: R2.2 U2.46 | length 11.9
  Top Layer w0.2: U2.46@-3.539,-37.283 -2.765,-38.057
  Top Layer w0.315: -2.765,-38.057 -2.765,-41.035 -1.2,-42.6 -1.2,-46.411 -1.385,-46.595 -1.969,-46.595 -2.153,-46.411 -2.153,-46.222 -2.475,-45.9 R2.2@-2.499,-45.9
USB_D_P: R4.2 U2.47 | length 13.1
  Top Layer w0.2: U2.47@-3.256,-37 -2.556,-37.7 -2.464,-37.7
  Top Layer w0.315: R4.2@-2.599,-47.7 -2.575,-47.7 -2.253,-47.378 -2.253,-47.245 -2.069,-47.06 -1.192,-47.06 -0.735,-46.603 -0.735,-42.407 -2.3,-40.842 -2.3,-37.864 -2.464,-37.7
VBUS: C6.1 D1.5 J2.1 J3.A4-B9 J3.B4-A9 U1.3 | length 311.6
  Top Layer w0.2: J2.1@-101.9,34.1 -101.9,35.646 -100.351,37.195 U1.3@-98.19,37.195 ; J3.B4-A9@-97.8,40.61 J3.B4-A9@-97.6,40.81 ; v1@-97.738,38.062 v1(-97.7,38.1) ; v1(-95.7,43.2) -94.794,43.2 -93.994,42.4 ; D1.5@-6.495,-46.9 -5.554,-46.9 -5.454,-47 v1(-5.4,-47)
  Top Layer w0.254: v1(-98.2,39.5) -97.8,39.9 J3.B4-A9@-97.8,40.61 ; U1.3@-98.19,37.399 -97.738,37.85 v1@-97.738,38.062 ; J3.B4-A9@-97.6,40.81 -97.427,40.983 -97.427,41.473 -96.5,42.4 -93.994,42.4 -93.073,41.479 -93.073,41.473 -92.973,41.373 -92.973,40.983 J3.A4-B9@-92.8,40.81
  Bottom Layer w0.2: v1(-95.7,43.2) -97.2,43.2 -97.5,43.5 -100.05,43.5 -101.35,42.2 -103.9,42.2 -107.6,45.9 -117.7,45.9 -120.8,42.8 -148.7,42.8 -150.6,40.9 -150.6,-44 -145.981,-48.619 -10.254,-48.619 -8.635,-47 v1(-5.4,-47)
  Bottom Layer w0.254: v1(-98.2,39.5) -98.2,38.6 v1(-97.7,38.1)
pads on no net: J3. J3.A8 J3.B8 SW1.0 SW2.0 SW3.0 SW4.0 SW5.0 SW6.0 SW7.0 SW8.0 SW9.0 SW10.0 SW11.0 SW12.0 SW13.0 SW14.0 SW15.0 SW16.0 SW17.0 SW18.0 SW19.0 SW20.0 SW21.0 SW22.0 SW23.0 SW24.0 SW25.0 SW26.0 SW27.0 SW28.0 SW29.0 SW30.0 SW31.0 SW32.0 SW33.0 SW34.0 SW35.0 SW36.0 SW37.0 SW38.0 SW39.0 SW40.0 SW41.0 SW42.0 SW43.0 SW44.0 SW45.0 SW46.0 SW47.0 SW48.0 SW49.0 SW50.0 SW51.0 SW52.0 SW53.0 SW54.0 SW55.0 SW56.0 SW57.0 SW58.0 SW59.0 SW60.0 SW61.0 SW62.0 SW63.0 SW64.0 SW65.0 SW66.0 SW.0 U2.15 U2.16 U2.17 U2.18 U2.24 U2.25 U2.38 U2.39 U2.40 U2.41

## Polygon pours and split planes (outlines as drawn)
GND on Bottom Layer "GND_L02_P000" (solid, remove dead copper, pour order 0): -152.4,47.625 -152.4,-49.625 152.4,-49.625 152.4,47.625
3V3 on Top Layer "3V3_L01_P001" (solid, remove dead copper, pour order 1): -152.4,47.625 -152.05,-49.305 152.4,-49.625 152.4,47.625

## Keep-outs
Top Layer:
  region: -5.295,-37.495 -1.366,-33.566 -4.997,-29.934 -8.926,-33.864

## Silkscreen, mask and mechanical layers (free items; w line width, h text height)
Top Overlay:
  circle w0.254: c2,-50.6 r3
  circle w0.254: c0,48.6 r3
  circle w0.254: c153.4,48.625 r3
  circle w0.254: c153.4,-50.625 r3
  circle w0.254: c-153.4,-50.625 r3
  circle w0.254: c-153.45,48.6 r3
  circle w0.254: c4.75,0 r3
  circle w0.254: c81,0 r3
  circle w0.254: c-71.5,0 r3
Bottom Overlay:
  text "btanqy 2025" at 66.271,-39.98 h3.05
Mechanical 1:
  lines w0.1: -154.4,47.251 ccw(c-153.45,48.6) -152.154,49.622 -1.306,49.622 ; -154.393,47.244 -154.393,-49.307 cw(c-153.4,-50.625) -152.089,-51.626 ; -152.077,-51.638 0.718,-51.638 cw(c2,-50.6) 3.3,-51.616 ; -1.3,49.616 ccw(c0,48.6) 1.282,49.638 152.077,49.638 ; 3.302,-51.618 152.082,-51.618 ; 152.082,-51.618 cw(c153.4,-50.625) 154.401,-49.314 ; 152.089,49.626 ccw(c153.4,48.625) 154.393,47.307 154.393,-49.305